# Altium PCB PowerBoardController.PcbDoc (part 1 of 2) (continued)
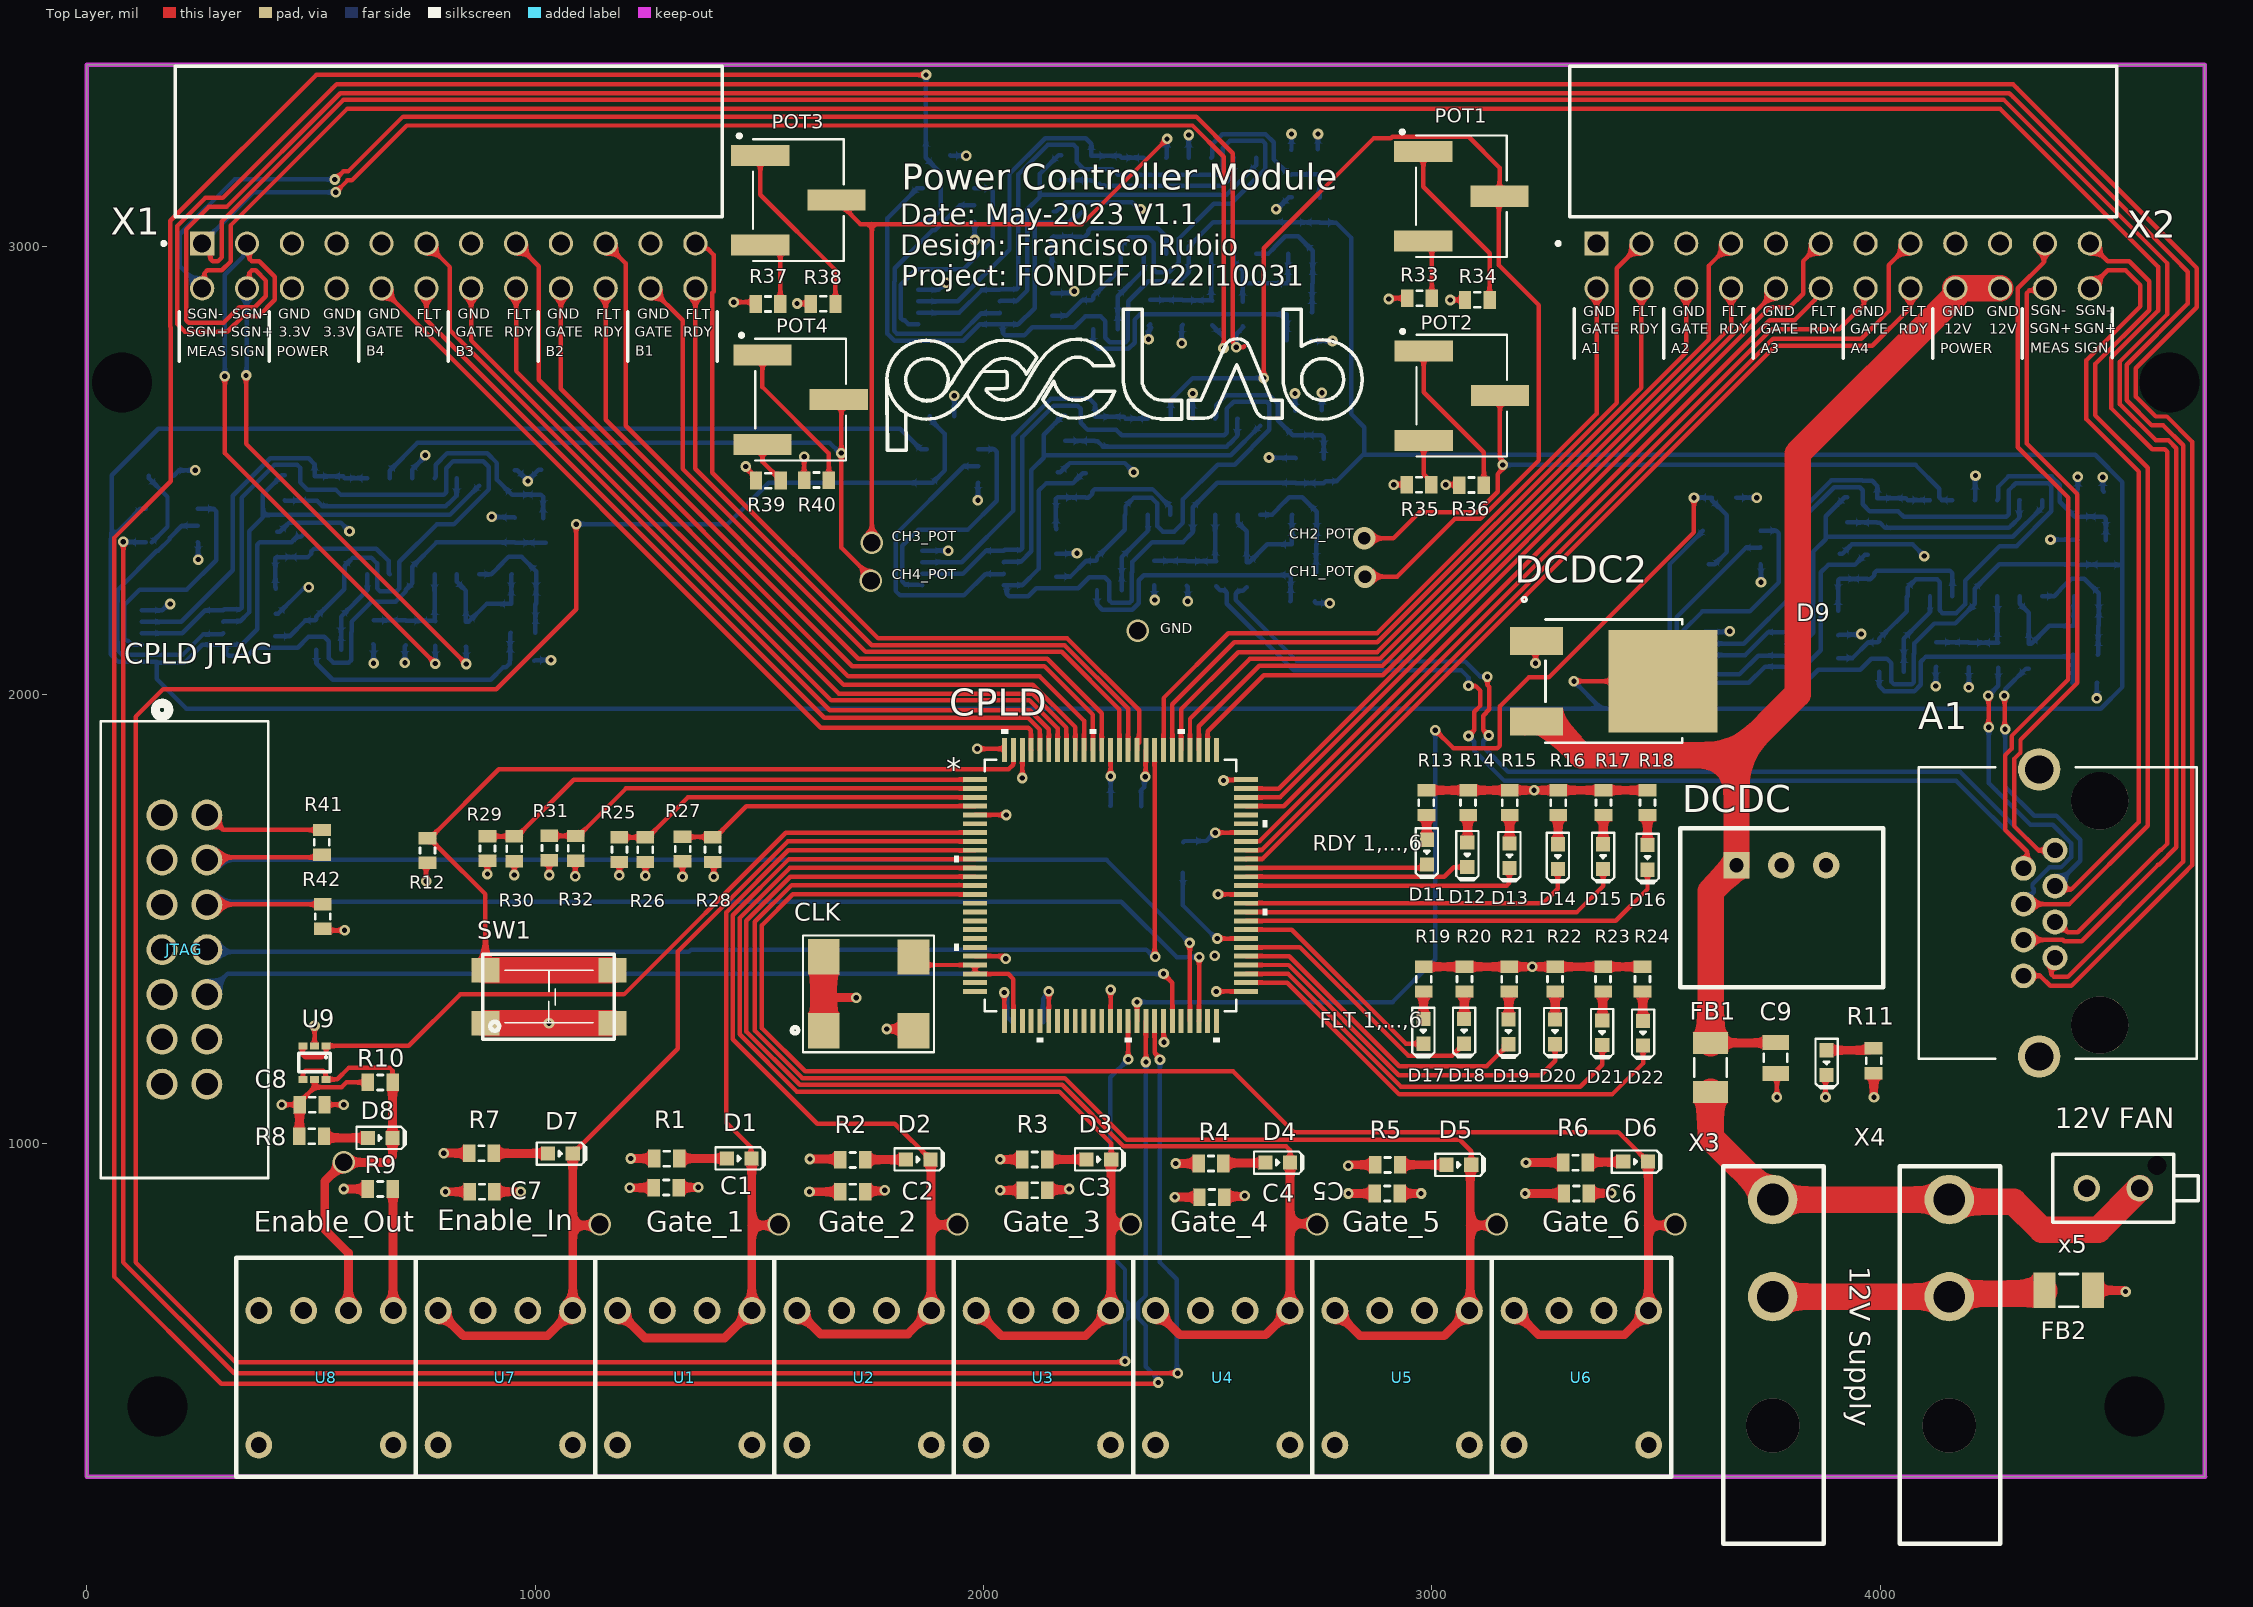
[diagram p0: Top Layer view]
## Footprints (in the part's own frame and the unit in brackets; to place one, negate y for a bottom-side part, rotate by r counter-clockwise, add the part's x,y. Pads: shape width x height; smd on the part's side, far side on the other; paste and mask are expansions set on the pad)
21-0036K-M [mil]
  rect 60x16 smd paste+0 mask+0: 1(-91,38.39) 2(-91,12.8) 3(-91,-12.8) 4(-91,-38.39) 5(91,-38.39) 6(91,-12.8) 7(91,12.8) 8(91,38.39)
  silkscreen extent -66,-66 66,66, body extent -99,-61 99,61, height 43
100-TQFP_XIL [mil]
  rect 53.5x11 smd paste+0 mask+0: 1(-302.25,236.22) 2(-302.25,216.54) 3(-302.25,196.85) 4(-302.25,177.17) 5(-302.25,157.48) 6(-302.25,137.8) 7(-302.25,118.11) 8(-302.25,98.43) 9(-302.25,78.74) 10(-302.25,59.06) 11(-302.25,39.37) 12(-302.25,19.69) 13(-302.25,0) 14(-302.25,-19.69) 15(-302.25,-39.37) 16(-302.25,-59.06) 17(-302.25,-78.74) 18(-302.25,-98.43) 19(-302.25,-118.11) 20(-302.25,-137.8) 21(-302.25,-157.48) 22(-302.25,-177.17) 23(-302.25,-196.85) 24(-302.25,-216.54) 25(-302.25,-236.22) 51(302.25,-236.22) 52(302.25,-216.54) 53(302.25,-196.85) 54(302.25,-177.17) 55(302.25,-157.48) 56(302.25,-137.8) 57(302.25,-118.11) 58(302.25,-98.43) 59(302.25,-78.74) 60(302.25,-59.06) 61(302.25,-39.37) 62(302.25,-19.69) 63(302.25,0) 64(302.25,19.68) 65(302.25,39.37) 66(302.25,59.06) 67(302.25,78.74) 68(302.25,98.43) 69(302.25,118.11) 70(302.25,137.8) 71(302.25,157.48) 72(302.25,177.17) 73(302.25,196.85) 74(302.25,216.54) 75(302.25,236.22)
  rect 11x53.5 smd paste+0 mask+0: 26(-236.22,-302.25) 27(-216.54,-302.25) 28(-196.85,-302.25) 29(-177.17,-302.25) 30(-157.48,-302.25) 31(-137.8,-302.25) 32(-118.11,-302.25) 33(-98.43,-302.25) 34(-78.74,-302.25) 35(-59.06,-302.25) 36(-39.37,-302.25) 37(-19.68,-302.25) 38(0,-302.25) 39(19.69,-302.25) 40(39.37,-302.25) 41(59.06,-302.25) 42(78.74,-302.25) 43(98.43,-302.25) 44(118.11,-302.25) 45(137.8,-302.25) 46(157.48,-302.25) 47(177.17,-302.25) 48(196.85,-302.25) 49(216.54,-302.25) 50(236.22,-302.25) 76(236.22,302.25) 77(216.54,302.25) 78(196.85,302.25) 79(177.17,302.25) 80(157.48,302.25) 81(137.8,302.25) 82(118.11,302.25) 83(98.43,302.25) 84(78.74,302.25) 85(59.06,302.25) 86(39.37,302.25) 87(19.69,302.25) 88(0,302.25) 89(-19.68,302.25) 90(-39.37,302.25) 91(-59.06,302.25) 92(-78.74,302.25) 93(-98.43,302.25) 94(-118.11,302.25) 95(-137.8,302.25) 96(-157.48,302.25) 97(-177.17,302.25) 98(-196.85,302.25) 99(-216.54,302.25) 100(-236.22,302.25)
  silkscreen extent -349,-349 349,349, body extent -315,-315 315,315, height 63
"Button SMD" [mm] "4.50mm x 4.50mm"
  rect 1.6x1.4 smd: 1(-3.6,-1.5) 1(3.6,-1.5) 3(-3.6,1.5) 3(3.6,1.5)
  silkscreen extent -3.75,-2.41 3.69,2.41, body extent -3.75,-2.24 3.75,2.26, height 5
CAP_0603 [mm] "CAP CER 0603"
  rect 1x0.7 smd: 1(0,0) 2(0,-1.4)
  silkscreen extent -0.42,-0.86 0.43,-0.54, body extent -0.4,-1.49 0.4,0.11, height 0.3
CAP_0805 [mm] "CAP CER 0805"
  rect 1.5x0.85 smd: 1(0,0) 2(0.02,-1.74)
  silkscreen extent -0.67,-1.08 0.67,-0.64, body extent -0.63,-1.89 0.62,0.11, height 0.78
Con_2068320201 [mm] "Connector Header Through Hole 2 position"
  round 1.5 hole 1: 1(0,0) 2(0,-3)
  round 0.8 hole 1.08 unplated: ""(-1.28,0.98)
  silkscreen extent -1.92,-4.93 1.93,3.33, body extent -1.92,-4.93 1.93,3.33, height 10.04
CON_WR-MPC4-649002227222 [mm] "CONN HEADER R/A 2POS 4.2MM"
  round 2.8 hole 1.8: 1(0,0) 2(0,-5.5)
  silkscreen extent -2.8,-19.5 2.9,1.9, body extent -2.8,-19.47 2.9,0.5, height 11.4
CONN14_1421621_WRE [mil]
  round 69 / inner round 60 / far side round 69 hole 49 paste-34.5 mask+0: 1(0,0) 2(0,100) 3(100,0) 4(100,100) 5(200,0) 6(200,100) 7(300,0) 8(300,100) 9(400,0) 10(400,100) 11(500,0) 12(500,100) 13(600,0) 14(600,100)
  silkscreen extent -249,-137 810,237, body extent -201,-121 801,240, height 351
D0014A_N [mm]
  oval 1.45x0.6 smd paste+0 mask+0: 1(-2.725,3.81) 2(-2.725,2.54) 3(-2.725,1.27) 4(-2.725,0) 5(-2.725,-1.27) 6(-2.725,-2.54) 7(-2.725,-3.81) 8(2.725,-3.81) 9(2.725,-2.54) 10(2.725,-1.27) 11(2.725,0) 12(2.725,1.27) 13(2.725,2.54) 14(2.725,3.81)
  silkscreen extent -3.3,-4.4 0.9,4.4
DBV5-M [mil]
  rect 46.5x20 smd paste+0 mask+0: 1(-57.75,37.4) 2(-57.75,0) 3(-57.75,-37.4) 4(57.75,-37.4) 5(57.75,37.4)
  silkscreen extent -40,-65 39,65, body extent -59,-60 59,60, height 57
"DC-DC CUI" [mm] "THT - P7803-2000-S"
  rect 1.5x1.5 hole 0.8: 1(-2.54,4.75)
  round 1.5 hole 0.8: 2(0,4.75) 3(2.54,4.75)
  silkscreen extent -5.74,-2.15 5.76,6.85, body extent -5.75,-2.1 5.75,6.9, height 17.5
DPAK_ONS [mil]
  rect 63x118 smd paste-59 mask-59: 1(-90,-172.5) 3(90,-172.5)
  rect 228x244 smd paste-122 mask-122: 2(0,109.5)
  silkscreen extent -187,-205 138,153
FB_1206 [mm]
  rect 2x1.25 smd: 1(-0.01,-0.01) 2(-0.01,-2.77)
  silkscreen extent -0.93,-1.91 0.92,-0.86, body extent -0.82,-3.04 0.78,0.16, height 1.1
FO_Rx_HFBR-2521Z [mil] "RECEIVER FIBER OPTIC 600NM 5MBD"
  round 60 hole 38: 1(0,0) 2(-100,0) 3(-200,0) 4(-300,0)
  round 60 hole 35: 5(-300,-300) 8(0,-300)
  silkscreen extent -350,-371 50,118, body extent -350,-616 130,124, height 306
FO_Tx_HFBR-1521Z [mil] "XMITTER FIBER OPTIC 600NM 5MBD"
  round 60 hole 38: 1(0,0) 2(-100,0) 3(-200,0) 4(-300,0)
  round 60 hole 35: 5(-300,-300) 8(0,-300)
  silkscreen extent -350,-371 50,118, body extent -349,-616 131,124, height 306
LED_0603_Blue [mm] "LED 0603"
  rect 0.8x0.8 smd: 1(0,0) 2(0,-1.4)
  silkscreen extent -0.63,-2.16 0.63,0.65, body extent -0.4,-1.49 0.4,0.11, height 0.4
LED_0603_Red [mm] "LED 0603"
  rect 0.8x0.8 smd: 1(0,0) 2(0,-1.4)
  silkscreen extent -0.63,-2.16 0.63,0.65, body extent -0.4,-1.51 0.4,0.09, height 0.4
LED_0603_Yellow [mm] "LED 0603"
  rect 0.8x0.8 smd: 1(0,0) 2(0,-1.4)
  silkscreen extent -0.63,-2.16 0.63,0.65, body extent -0.4,-1.46 0.4,0.14, height 0.4
RES_0603 [mm] "RES 0603"
  rect 1x0.7 smd: 1(0,0) 2(0,-1.4)
  silkscreen extent -0.42,-0.86 0.43,-0.54, body extent -0.39,-1.49 0.41,0.11, height 0.45
RJ45_RJHSE5E80 [mm] "Modulo RJ-45 RJHSE5E80"
  round 1.408 hole 0.9: 1(0,0) 2(-1.02,1.78) 3(-2.03,0) 4(-3.05,1.78) 5(-4.06,0) 6(-5.08,1.78) 7(-6.09,0) 8(-7.11,1.78)
  round 2.4 hole 1.6: ""(-11.68,0.89) ""(4.58,0.89)
  round 3.25 hole 3.25 unplated: ""(-9.9,-2.54) ""(2.8,-2.54)
  silkscreen extent -11.81,-8.04 4.7,7.71, body extent -11.95,-8.24 4.88,7.96, height 14.77
SAMTEC_SSQ-112-23-S-D-RA [mm]
  rect 1.37x1.37 / inner round 1.37 / far side rect 1.37x1.37 hole 1.02: 01(-13.97,-5.775)
  round 1.37 hole 1.02: 02(-13.97,-8.315) 03(-11.43,-5.775) 04(-11.43,-8.315) 05(-8.89,-5.775) 06(-8.89,-8.315) 07(-6.35,-5.775) 08(-6.35,-8.315) 09(-3.81,-5.775) 10(-3.81,-8.315) 11(-1.27,-5.775) 12(-1.27,-8.315) 13(1.27,-5.775) 14(1.27,-8.315) 15(3.81,-5.775) 16(3.81,-8.315) 17(6.35,-5.775) 18(6.35,-8.315) 19(8.89,-5.775) 20(8.89,-8.315) 21(11.43,-5.775) 22(11.43,-8.315) 23(13.97,-5.775) 24(13.97,-8.315)
  silkscreen extent -16.24,-5.87 15.5,4.26, body extent -15.5,-8.57 15.49,4.32, height 5.02
SC-70 [mm]
  rect 0.5x0.4 smd: 1(-0.65,-0.95) 2(0,-0.95) 3(0.65,-0.95) 4(0.65,0.95) 5(0,0.95) 6(-0.65,0.95)
  silkscreen extent -0.9,-0.53 0.9,0.52, body extent -1,-1.05 1,1.05, height 1.1
"SMD-4 Oscillator" [mm]
  rect 1.8x2 smd: 1(0,0) 2(5.08,0) 3(5.08,4.18) 4(0,4.2)
  silkscreen extent -1.8,-1.22 6.25,5.39, body extent -0.92,-0.36 6.08,4.64, height 1.7
TRIM_3361S-1-103GLF [mm]
  rect 3.3x1.19 smd: 1(-2.16,2.54) 2(2.16,0) 3(-2.16,-2.54)
  silkscreen extent -3.45,-3.45 2.57,3.75

## Part data
A1: library part RJ45_RJHSE5E80, "Modulo RJ-45 RJHSE5E80", Color=Black, Current Rating=1.5A, Flammability Rating="UL94 V-0", Insulation Resistance=500MR, Manufacturer="Amphenol Commercial", Manufacturer Part Number=RJHSE5E80, Manufacturer Part-Number=1-338088-3, Max Operating Temperature=85°C, Min Operating Temperature=-55°C, Package Quantity=120, Supplier Part Number 1=RJHSE5E80-ND, Voltage Rating=125V, ComponentLink1Description=http://www.mouser.com/ds/2/18/Amphenol_RJHSE_BRO-311217.pdf?src-supplier=Mouser, ComponentLink1URL=http://www.mouser.com/ds/2/18/Amphenol_RJHSE_BRO-311217.pdf?src-supplier=Mouser, ComponentLink2Description=https://media.digikey.com/pdf/Data%20Sheets/Amphenol%20PDFs/RJHSE5E8x_Dwg.pdf?src-supplier=Digi-Key, ComponentLink2URL=https://media.digikey.com/pdf/Data%20Sheets/Amphenol%20PDFs/RJHSE5E8x_Dwg.pdf?src-supplier=Digi-Key, Connector Type=Jack, Contact Material=Bronze, Contact Plating=Gold, Digikey Part-Number=A99306CT-ND, Direction=Up, Gender=Female, Housing Material=Thermoplastic, LatestRevisionDate=17-Jul-2002, LatestRevisionNote="Re-released for DXP Platform.", Mount="Through Hole", Number of Contacts=8, Number of Ports=1, Number of Positions=8, Number of Rows=1, Orientation="Right Angle", Packaging=Tray, Pitch=2.03mm, Pricing 1="1=1.28, 10=1.125, 25=1.0584, 50=1.0144, 100=0.9702, 250=0.882, 500=0.7938, 1000=0.7056, 2500=0.63945 (USD)", Publisher="Altium Limited", Shielding=Shielded, Stock 1=16396, Supplier 1=Digi-Key, Termination=Solder
C1 C1_ADC1 C1_ADC2 C1_ADC3 C1_ADC4 C2 C2_ADC1 C2_ADC2 C2_ADC3 C2_ADC4 C3 C3_ADC1 C3_ADC2 C3_ADC3 C3_ADC4 C4 C4_ADC1 C4_ADC2 C4_ADC3 C4_ADC4 C5 C5_ADC1 C5_ADC2 C5_ADC3 C5_ADC4 C6 C6_ADC1 C6_ADC2 C6_ADC3 C6_ADC4 C7 C8: library part Cap_0603, "0.1µF ±10% 50V Ceramic Capacitor X7R 0603 (1608 Metric)", Package=0603, Supplier Part Number 1=399-5089-1-ND, Created=2020_06_15_DAarancibia, MF=KEMET, MFP=C0603C104K5RACTU, Supplier 1=Digi-Key
C9 C10 C11 C12: library part Cap_0805, "0.1µF ±10% 50V Ceramic Capacitor X7R 0805 (2012 Metric)", Package=0805, Supplier Part Number 1=399-1170-1-ND, Created=2020_06_15_DAarancibia, MF=KEMET, MFP=C0805C104K5RACTU, Supplier 1=Digi-Key
CLK: library part Oscillator, "20MHz XO (Standard) HCMOS, TTL Oscillator 3.3V Enable/Disable 4-SMD, No Lead", MPN=CB3LV-3I-20M0000, Package="4-SMD, No Lead", Supplier Part Number 1=CTX306LVCT-ND, Created=2020_07_06_DArancibia, MF="CTS-Frequency Controls", Supplier 1=Digi-Key
CPLD: "No Description Available", Mfr_Name="Xilinx Inc", RefDes=RefDes, Type=Type
D1 D2 D3 D4 D5 D6 D7 D8: library part Led_0603_Yellow, "Yellow 590nm LED Indication - Discrete 2V 0603 (1608 Metric)", Package=0603, Supplier Part Number 1=732-4981-1-ND, Created=2020_07_06_DAarancibia, MF="Würth Elektronik", MFP=150060YS75000, Supplier 1=Digi-Key
D9 D11 D12 D13 D14 D15 D16: library part Led_0603_Blue, "Blue 470nm LED Indication - Discrete 3.2V 0603 (1608 Metric)", Package=0603, Supplier Part Number 1=732-4966-1-ND, Created=2020_07_06_DAarancibia, MF="Würth Elektronik", MFP=150060BS75000, Supplier 1=Digi-Key
D17 D18 D19 D20 D21 D22: library part Led_0603_Red, "Red 625nm LED Indication - Discrete 2V 0603 (1608 Metric)", Package=0603, Supplier Part Number 1=732-4978-1-ND, Created=2020_07_06_DAarancibia, MF="Würth Elektronik", MFP=150060RS75000, Supplier 1=Digi-Key
DCDC: library part "DC/DC 3.3V / 2A", "Non-Isolated PoL Module DC DC Converter Output 3.3V - - - 2A 6V - 36V Input", Package="3-SIP Module", Supplier Part Number 1=102-P7803-2000-S-ND, Created=2021_05_06_EDuran, MF="CUI Inc.", MFP=P7803-2000-S, Supplier 1=Digi-Key
DCDC2: "No Description Available", Mfr_Name=onsemi, RefDes=RefDes, Type=Type
FB1 FB2: library part "Ferrite Bead", "60 Ohms @ 100MHz 1 Power Line Ferrite Bead 1206 (3216 Metric) 4A 10mOhm", Package=1206, Supplier Part Number 1=587-1770-1-ND, Created=2020_07_06_DAarancibia, MF="Taiyo Yuden", MFP=FBMJ3216HM600-T, Supplier 1=Digi-Key
JTAG: "No Description Available", Mfr_Name="Wurth Electronics", RefDes=RefDes, Type=Type
NAND_ADC1 NAND_ADC2 NAND_ADC3 NAND_ADC4 U1_ADC1 U1_ADC2 U1_ADC3 U1_ADC4: "No Description Available", Mfr_Name="Texas Instruments", RefDes=RefDes
  NAND_ADC1 NAND_ADC2 NAND_ADC3 NAND_ADC4: Type=Type
  U1_ADC1 U1_ADC2 U1_ADC3 U1_ADC4: Type=TYPE
POT1 POT2 POT3 POT4: "10 kOhms 0.5W, 1/2W Gull Wing Surface Mount Trimmer Potentiometer Cermet 1 Turn Side Adjustment", Package="2012 Bourns", Availability=Warning, Check_prices=https://www.snapeda.com/parts/3361S-1-103GLF/Bourns/view-part/431545/?ref=eda, MF=Bourns, MP=3361S-1-103GLF, Price=None, Purchase-URL=https://pricing.snapeda.com/search/part/3361S-1-103GLF/?ref=eda, SnapEDA_Link=https://www.snapeda.com/parts/3361S-1-103GLF/Bourns/view-part/431545/?ref=snap
R1 R1_ADC1 R1_ADC2 R1_ADC3 R1_ADC4 R2 R2_ADC1 R2_ADC2 R2_ADC3 R2_ADC4 R3 R3_ADC1 R3_ADC2 R3_ADC3 R3_ADC4 R4 R4_ADC1 R4_ADC2 R4_ADC3 R4_ADC4 R5 R5_ADC1 R5_ADC2 R5_ADC3 R5_ADC4 R6 R6_ADC1 R6_ADC2 R6_ADC3 R6_ADC4 R7 R7_ADC1 R7_ADC2 R7_ADC3 R7_ADC4 R8 R8_ADC1 R8_ADC2 R8_ADC3 R8_ADC4 R9 R9_ADC1 R9_ADC2 R9_ADC3 R9_ADC4 R10 R10_ADC1 R10_ADC2 R10_ADC3 R10_ADC4 R11 R11_ADC1 R11_ADC2 R11_ADC3 R11_ADC4 R12 R12_ADC1 R12_ADC2 R12_ADC3 R12_ADC4 R13 R13_ADC1 R13_ADC2 R13_ADC3 R13_ADC4 R14 R14_ADC1 R14_ADC2 R14_ADC3 R14_ADC4 R15 R15_ADC1 R15_ADC2 R15_ADC3 R15_ADC4 R16 R17 R18 R19 R20 R21 R22 R23 R24 R25 R26 R27 R28 R29 R30 R31 R32 R33 R34 R35 R36 R37 R38 R39 R40 R41 R42: library part Res_0603, "10 kOhms ±1% 0.1W, 1/10W Chip Resistor 0402 (1005 Metric) Anti-Sulfur, Automotive AEC-Q200 Thick Film", Package=0603, Supplier Part Number 1=P10.0KHCT-ND, Created=2020_06_15_DAarancibia, MF="Panasonic Electronic Components", MFP=ERJ-3EKF1002V, Supplier 1=Digi-Key
SW1: "Pulsador NO SMD Wurth", Package="Gull Wing 4.50mm x 4.50mm", Supplier Part Number 1=EG5355CT-ND, Created=2020_07_08_DArancibia, MF=E-Switch, MFP=TL3305CF260QG, Supplier 1=Digi-Key
U1 U2 U3 U4 U5 U6 U7: library part FO_Rx_HFBR-2521, "Fiber Optic Receiver  5MBd -43dBm 4.75V ~ 5.25V 10mA", Supplier Part Number 1=516-2062-ND, Created=2020_07_06_DArancibia, MF="Broadcom Limited", MFP=HFBR-2521Z, Supplier 1=Digi-Key
U2_ADC1 U2_ADC2 U2_ADC3 U2_ADC4: "No Description Available", Mfr_Name="Analog Devices Inc", RefDes=RefDes, Type=Type
U8: library part FO_Tx_HFBR-1521, "Fiber Optic Transmitter 660nm 2.02V 80mA Versatile Link", Supplier Part Number 1=516-2043-ND, Created=2020_07_06_DArancibia, MF="Broadcom Limited", MFP=HFBR-1521Z, Supplier 1=Digi-Key
U9: library part NC7WV07P6X, "Buffer, Non-Inverting Element 1 Bit per Element Open Drain Output SC-88 (SC-70-6)", Package="SC-88 (SC-70-6)", Supplier Part Number 1=NC7WV07P6XCT-ND, Created=2020_05_02_EDuran, MF="ON Semiconductor", MPN=NC7WV07P6X, Supplier 1=Digi-Key
X1 X2: "24 Position Receptacle Connector 0.100 (2.54mm) Through Hole, Right Angle Gold", Package=None, Availability="In Stock", Check_prices=https://www.snapeda.com/parts/SSQ-112-23-S-D-RA/Samtec/view-part/?ref=eda, MF=Samtec, MP=SSQ-112-23-S-D-RA, Price=None, Purchase-URL=https://pricing.snapeda.com/search/part/SSQ-112-23-S-D-RA/?ref=eda, SnapEDA_Link=https://www.snapeda.com/parts/SSQ-112-23-S-D-RA/Samtec/view-part/?ref=snap
X3 X4: library part Con_WR-MPC4_2x1, "Connector Header Through Hole, Right Angle 2 position 0.165\" (4.20mm)", MPN=649002227222, Package="Through Hole, pitch 0.165\" (4.20mm)", Supplier Part Number 1=732-1937-ND, Created=2020_06_14_DArancibia, MF="Würth Elektronik", Supplier 1=Digi-Key
x5: library part Con_Molex_1x2, "Connector Header Through Hole 2 position", MPN=2068320201, Package="Through Hole, Pitch 3mm", Supplier Part Number 1=WM26554-ND, Created=2021_05_22_EDuran, MF=Molex, Supplier 1=Digi-Key

## Free pads (board coordinates)
  round 60 hole 133.86: 1(78.74,2696.85) 1(157.48,413.39) 1(4566.93,413.39) 1(4645.67,2696.85)

## Via types
v1: diameter 23.62, hole 11.81, Top Layer to Bottom Layer, tented both sides, 115 vias
v2: diameter 23.62, hole 11.81, Top Layer to Bottom Layer, 38 vias
v3: diameter 50, hole 39.37, Top Layer to Bottom Layer, 11 vias
v4: diameter 50, hole 28, Top Layer to Bottom Layer, 2 vias
v5: diameter 120.08, hole 120.08, Top Layer to Bottom Layer, 2 vias

## Nets (pads, with @x,y where several pads share a name; then routed paths per layer and width w, separated by ;. In a path a pad name is that pad's centre, name@x,y a point inside that pad or via, vN(x,y) a via of type N, cw(c..) or ccw(c..) an arc to the next point about the centre after c; other vN are vias at no path point)
3.3V: C1.1 C2.1 C3.1 C4.1 C5.1 C6.1 C7.1 C8.1 C10.1 C11.1 C12.1 CLK.1 CLK.4 CPLD.5 CPLD.26 CPLD.38 CPLD.51 CPLD.57 CPLD.88 CPLD.98 DCDC.3 JTAG.2 R1.2 R2.2 R3.2 R4.2 R5.2 R6.2 R7.2 R8.2 R9.2 R10.2 R11.2 R12.2 R13.2 R14.2 R15.2 R16.2 R17.2 R18.2 R19.2 R20.2 R21.2 R22.2 R23.2 R24.2 R25.2 R27.2 R29.2 R31.2 R33.2 R35.2 R37.2 R39.2 R41.2 U1.3 U2.3 U3.3 U4.3 U5.3 U6.3 U7.3 U9.5 X1.06 X1.08 | length 3869.5
  Top Layer w10: JTAG.2@268,1732 271.64,1732 304.82,1698.82 R41.2@524.61,1698.82 ; v1(435,1086) C8.1@475,1086 475,1091.91 508,1124.91 ; U9.5@508,1142.6 508,1124.91 ; R10.2@627,1136 579.35,1136 568.26,1124.91 508,1124.91 ; v2(756.89,1584.65) 756.89,1612.69 751.97,1617.61 R12.2@759.84,1625.48 ; v2(893.7,1600.39) 893.7,1629.76 R29.2@893.84,1629.91 ; v2(1031.5,1598.43) 1031.5,1630.56 R31.2@1031.84,1630.91 ; R25.2@1187.84,1627.36 1187.99,1627.21 v2(1187.99,1597.44) ; v2(1328.74,1594.49) 1328.74,1628.8 R27.2@1328.84,1628.91 ; v1(1443,2876) 1487.78,2876 R37.2@1491.73,2872.05 ; v1(1469.77,2509.52) 1469.77,2507.05 1492.78,2484.04 R39.2@1492.78,2478.13 ; CPLD.5@1981.21,1732.28 v2(2050.72,1732.28) ; v2(2046.18,1336.24) 2046.74,1335.68 2046.74,1273.05 CPLD.26@2047.24,1272.55 ; v2(2086.61,1814.61) CPLD.98@2086.61,1877.05 ; CPLD.38@2283.46,1272.55 v2(2283.46,1342.54) ; v2(2283.46,1818.46) CPLD.88@2283.46,1877.05 ; v2@2518.83,1338 v2(2519.42,1338.58) CPLD.51@2585.71,1338.58 ; v2(2521.31,1456.69) CPLD.57@2585.71,1456.69 ; v1@2901,2883 v1(2904,2883) 2909,2883 2910.84,2884.84 R33.2@2944.88,2884.84 ; v1(2915,2469) R35.2@2943.88,2469
  Top Layer w19.68: R8.2@473.88,1016 474.44,1016.56 474.44,1085.44 C8.1@475,1086 ; v1(573,898) R9.2@627,898 ; v1(796,978) R7.2@852.88,978 ; v1(800,892) C7.1@853.88,892 ; v1(1211,901) C1.1@1265,901 ; v1(1213,966) R1.2@1266,966 ; v1(1612,892) C2.1@1680.88,892 ; v1(1613,965) 1678.88,965 R2.2@1680.88,963 ; 1643.7,1333.66 1652.56,1324.8 v2(1716.54,1324.8) ; v1(2037,895) C3.1@2087,895 ; v1(2037,964) R3.2@2086.76,964 ; v1(2427,880) C4.1@2481.88,880 ; v2(2429,955) R4.2@2479.88,955 ; v1(2813.88,950.03) 2814.94,950.03 2816.91,952 R5.2@2873.88,952 ; v1(2814,888) C5.1@2873,888 ; R19.2@2982,1393.7 R20.2@3073,1393.7 R21.2@3173,1393.7 v1(3224,1393.7) R22.2@3275,1393.7 R23.2@3382,1393.7 R24.2@3470,1393.7 ; R13.2@2988,1787.4 R14.2@3081,1787.4 R15.2@3174,1787.4 v1(3228,1787.4) R16.2@3282,1787.4 R17.2@3383,1787.4 R18.2@3481,1787.4 ; v1(3208,888) C6.1@3294.88,888 ; v1(3210,957) R6.2@3293,957 ; R11.2@3985.24,1156.5 3985.73,1156 3985.73,1102.85 v1(3986.22,1102.36)
  Top Layer w59.06: CLK.1@1643.7,1250.98 1643.7,1333.66 CLK.4@1643.7,1416.34
  Bottom Layer w10: v2(2046.18,1336.24) 2046.18,1332.56 2052.64,1326.1 2052.64,1282.21 C12.1@2064.37,1270.47 ; C11.1@2282.87,1752.76 2283.46,1753.35 v2(2283.46,1818.46) ; C10.1@2444.88,1603.35 2444.88,1530.51 2518.7,1456.69 v2(2521.31,1456.69)
5V: C6_ADC1.1 C6_ADC2.1 C6_ADC3.1 C6_ADC4.1 DCDC2.2 NAND_ADC1.5 NAND_ADC2.5 NAND_ADC3.5 NAND_ADC4.5 R8_ADC1.2 R8_ADC2.2 R8_ADC3.2 R8_ADC4.2 R13_ADC1.2 R13_ADC2.2 R13_ADC3.2 R13_ADC4.2 U1_ADC1.4 U1_ADC2.4 U1_ADC3.4 U1_ADC4.4 U2_ADC1.8 U2_ADC2.8 U2_ADC3.8 U2_ADC4.8 | length 17067
  Top Layer w10: v1(3316.93,2030.51) DCDC2.2@3495.33,2030.51
  Bottom Layer w10: NAND_ADC4.5@132.11,2415.12 118.86,2415.12 113.86,2410.12 113.86,2409.1 55.67,2350.91 ; 155.74,2072 217.83,2072 257.8,2111.97 U2_ADC4.8@304.48,2111.97 U2_ADC4.8@307.78,2111.97 ; R8_ADC4.2@486.48,2361.67 477.7,2352.89 469.42,2352.89 457.45,2340.92 385.86,2340.92 380,2335.06 380,2146.39 345.57,2111.97 U2_ADC4.8@307.78,2111.97 ; R13_ADC4.2@1023.2,2339.54 955.46,2339.54 C6_ADC4.1@954.98,2340.02 779.95,2340.02 725.65,2285.72 U1_ADC4.4@725.65,2268.99 725.65,2248.57 712,2234.92 712,2231.15 689.02,2208.17 635.31,2208.17 590.78,2163.65 590.78,2141.17 589.91,2140.3 589.91,2077.45 584.67,2072.22 549.71,2072.22 539.63,2082.3 539.63,2119.39 529.55,2129.46 494.59,2129.46 470.3,2105.17 376.71,2105.17 358.71,2087.17 316.64,2087.17 310.78,2093.03 310.78,2108.97 U2_ADC4.8@307.78,2111.97 ; NAND_ADC3.5@1864.39,3129.69 1851.14,3129.69 1846.14,3124.69 1846.14,3123.67 1785.83,3063.35 1785.83,2805.64 1801.67,2789.8 1954.85,2789.8 1991.58,2826.54 U2_ADC3.8@2036.76,2826.54 U2_ADC3.8@2040.06,2826.54 ; NAND_ADC1.5@1873.25,2547.99 1860,2547.99 1814.49,2593.5 159.45,2593.5 55.67,2489.72 55.67,2350.91 ; U2_ADC1.8@2045.62,2244.84 U2_ADC1.8@2048.92,2244.84 ; R8_ADC3.2@2218.76,3076.24 2209.98,3067.46 2204.08,3067.46 2189.94,3053.31 2120.24,3053.31 2114.06,3047.13 2114.06,2862.74 2077.86,2826.54 U2_ADC3.8@2040.06,2826.54 ; R8_ADC1.2@2227.62,2494.54 2221.72,2494.54 2198.79,2471.62 2139.5,2471.62 2122.92,2455.05 2122.92,2281.05 2086.72,2244.84 U2_ADC1.8@2048.92,2244.84 ; R13_ADC3.2@2750.06,3053.62 2786.28,3053.62 2819.88,3020.02 2819.88,2626.97 2849.62,2597.23 2849.62,2538.39 2846.67,2535.43 ; R13_ADC3.2@2750.06,3054.1 2687.75,3054.1 C6_ADC3.1@2687.27,3054.58 2512.23,3054.58 2457.94,3000.29 2457.94,2942.94 2437.74,2922.74 2367.59,2922.74 2323.06,2878.21 2323.06,2855.74 2322.19,2854.87 2322.19,2792.02 2316.95,2786.79 2281.99,2786.79 2271.91,2796.86 2271.91,2833.95 2261.84,2844.03 2226.87,2844.03 2202.58,2819.74 2108.99,2819.74 2090.99,2801.74 2048.92,2801.74 2043.06,2807.6 2043.06,2823.54 U2_ADC3.8@2040.06,2826.54 ; v1(3316.93,2030.51) 3377.95,1969.49 ; NAND_ADC2.5@3604.31,2366.26 3599.31,2361.26 3599.31,2360.24 3531,2291.93 3531,2049.69 3553.69,2027 3707.14,2027 3743.25,2063.11 U2_ADC2.8@3789.93,2063.11 U2_ADC2.8@3793.23,2063.11 ; R8_ADC2.2@3971.93,2312.81 3966.02,2312.81 3943.1,2289.89 3883.8,2289.89 3867.23,2273.32 3867.23,2099.32 3831.02,2063.11 U2_ADC2.8@3793.23,2063.11 ; R13_ADC2.2@4503.23,2290.2 4540.2,2290.2 4540.35,2290.35 ; R13_ADC2.2@4503.23,2290.68 4440.91,2290.68 C6_ADC2.1@4440.43,2291.16 4265.4,2291.16 4211.1,2236.86 U1_ADC2.4@4211.1,2220.13 4211.1,2202.84 4167.57,2159.32 4120.76,2159.32 4076.23,2114.79 4076.23,2092.32 4075.35,2091.44 4075.35,2028.6 4070.12,2023.36 4030.94,2023.36 4025.08,2029.22 4025.08,2070.53 4015,2080.61 3980.04,2080.61 3955.75,2056.32 3862.16,2056.32 3844.16,2038.32 3802.09,2038.32 3796.23,2044.17 3796.23,2060.11 U2_ADC2.8@3793.23,2063.11 ; 55.67,2350.91 53.54,2348.78 53.54,2090.56 70.61,2073.49 155.74,2073.49 155.74,2036.19 222.44,1969.49 3377.95,1969.49 ; U2_ADC1.8@2048.92,2244.84 2051.92,2241.84 2051.92,2225.91 2057.78,2220.05 2099.85,2220.05 2117.85,2238.05 2211.44,2238.05 2235.73,2262.34 2270.69,2262.34 2280.77,2252.26 2280.77,2210.95 2286.63,2205.09 2325.81,2205.09 2331.05,2210.33 2331.05,2273.17 2331.92,2274.05 2331.92,2296.52 2376.45,2341.05 2445.05,2341.05 2466.8,2362.8 U1_ADC1.4@2466.8,2401.86 2466.8,2418.6 2521.09,2472.89 C6_ADC1.1@2696.13,2472.89 2696.61,2472.41 2758.44,2472.41 2763.07,2477.04 2788.28,2477.04 2846.67,2535.43 ; 2846.67,2535.43 4479.33,2535.43 4540.35,2474.41 4540.35,2290.35 ; 3377.95,1969.49 4492.13,1969.49 4540.35,2017.72 4540.35,2290.35
12V: C9.1 DCDC2.3 DCDC.1 FB1.2 X2.18 X2.20 | length 2633.6
  Top Layer w19.68: FB1.2@3621.63,1223.37 3622.13,1223.87 3766.13,1223.87 C9.1@3766.63,1224.37
  Top Layer w59.06: DCDC2.3@3233.63,1940.51 3261.13,1940.51 3263.1,1938.54 3263.1,1935.72 3333.27,1865.55 3679.53,1865.55 ; FB1.2@3621.63,1223.37 3621.63,1562.11 DCDC.1@3679.53,1620.01 3679.53,1865.55 ; X2.20@4267.44,2906.89 X2.18@4167.44,2906.89 4167.44,2889.88 3815.94,2538.39 3815.94,2001.97 3679.53,1865.55
12V_EXT: FB1.1 X3.1 X4.1 x5.1 | length 1182.3
  Top Layer w59.06: FB1.1@3621.63,1114.71 3621.63,1013.15 X3.1@3760.32,874.46 X4.1@4154.02,874.46 4158.88,869.6 4297.72,869.6 4360.24,807.09 4486.22,807.09 x5.1@4578.74,899.61
50MHz: CLK.3 CPLD.22 CPLD.23 CPLD.27 | length 348.8
  Top Layer w10: CLK.3@1843.7,1415.55 1861.61,1397.64 CPLD.22@1981.21,1397.64 CPLD.23@1981.21,1377.95 2055.12,1377.95 2066.93,1366.14 CPLD.27@2066.93,1272.55
ADC_IN+_1: A1.1 R1_ADC1.1 X2.22 | length 3678.3
  Top Layer w10: v1@3125,1911.42 v1(3126.97,1909.45) ; v1@3125,2039.37 v1(3124.02,2040.35) 3123.86,2040.2 3123.86,2022.28 3128.4,2017.74 3128.4,1967.96 3114.33,1953.89 3114.33,1922.12 v1@3126.97,1909.48 ; X2.22@4367.44,2906.89 4362.67,2902.12 4332.86,2902.12 4327,2896.26 4327,2560.77 4439.96,2447.81 4439.96,2027.02 4312.94,1900 4312.94,1871.53 4298.54,1857.13 4298.54,1707.84 4352.91,1653.47 4389.69,1653.47 A1.1@4389.76,1653.54
  Bottom Layer w10: R1_ADC1.1@2586.87,2240.61 2578.09,2231.83 2568.78,2231.83 2562.92,2225.97 2562.92,2211.83 2700.19,2074.55 3074.32,2074.55 3107.31,2041.56 3122.81,2041.56 v1(3124.02,2040.35) ; v1(3126.97,1909.45) 3114.33,1896.78 3114.33,1884.17 3170.35,1828.15 4178.23,1828.15 4352.91,1653.47 4389.69,1653.47 A1.1@4389.76,1653.54
ADC_IN+_2: A1.3 R1_ADC2.1 X2.24 | length 2324.9
  Top Layer w10: v1(4276.57,1998.03) 4277.56,1997.05 4277.56,1924.21 v1(4278.54,1923.23) ; A1.3@4389.76,1573.62 4397,1566.39 4426.62,1566.39 4576.77,1716.54 4576.77,2498.23 4460,2615 4460,2746.49 4580,2866.49 4580,2914.14 4547.25,2946.89 4507.44,2946.89 X2.24@4467.44,2906.89
  Bottom Layer w10: v1(4276.57,1998.03) 4279.18,2000.64 4279.18,2012.78 4325.28,2058.87 R1_ADC2.1@4331.18,2058.87 ; v1(4278.54,1923.23) 4278.54,1795.3 4343.53,1730.32 4393.11,1730.32 4446.42,1677.01 4446.42,1630.08 4389.96,1573.62 A1.3@4389.76,1573.62
ADC_IN+_3: A1.5 R1_ADC3.1 X1.02 | length 9620.4
  Top Layer w10: X1.02@257.44,2906.89 262.65,2912.1 262.65,2941.03 268.51,2946.89 300.88,2946.89 321.54,2967.55 321.54,3047.91 580.62,3307 4267.72,3307 4619.8,2954.92 4619.8,2856.78 4514.8,2751.79 4514.8,2639.91 4606.72,2548 4634.73,2548 4640.59,2542.14 4640.59,1668.59 4627.21,1655.21 4625.68,1655.21 4440.91,1470.43 4418.34,1470.43 4395.07,1493.7 A1.5@4389.76,1493.7 ; v2(553.15,3149.61) 554,3149.61 572.53,3168.14 573.91,3168.14 574.59,3167.47 582.87,3167.47 705.4,3290 2474.48,3290 2556.03,3208.45 2556.03,2786.91 2563.67,2779.28 v1(2563.67,2775.59) 2579.72,2775.59 2581.69,2777.56
  Bottom Layer w10: X1.02@257.44,2906.89 207.68,2956.65 207.68,3027.56 329.72,3149.61 v2(553.15,3149.61) ; v1(2563.67,2775.59) 2563.67,2804.53 2579.72,2820.59 R1_ADC3.1@2578.02,2822.3
ADC_IN+_4: A1.7 R1_ADC4.1 X1.04 | length 8245.8
  Top Layer w10: v1(355.31,2712.6) 355.31,2560.04 v1(846.46,2068.9) ; X1.04@357.44,2906.89 362.65,2912.1 362.65,2941.03 368.51,2946.89 376.79,2946.89 399.41,2924.27 399.41,2889.51 374.82,2864.92 340.32,2864.92 305.12,2829.72 227.39,2829.72 221.54,2835.58 221.54,3037.56 272.4,3088.42 311.85,3088.42 556.15,3332.72 565.43,3342 4287.95,3342 4297.22,3332.72 4654.53,2975.42 4686.12,2943.82 4686.12,2872.88 4549.8,2736.56 4549.8,2657.14 4605.96,2600.98 4631.25,2600.98 4675.59,2556.64 4675.59,1628.35 4654.53,1607.28 4418.31,1371.06 4387.46,1371.06 4381.6,1376.92 4381.6,1405.62 A1.7@4389.76,1413.78
  Bottom Layer w10: v1(355.31,2712.6) 356.38,2713.66 356.38,2905.83 X1.04@357.44,2906.89 ; R1_ADC4.1@845.73,2107.73 846.46,2107.01 v1(846.46,2068.9)
ADC_IN-_1: A1.2 R2_ADC1.1 X2.21 | length 3775.9
  Top Layer w10: v1(3081.69,1908.46) 3094.33,1921.13 3094.33,1962.17 3108.4,1976.24 3108.4,2009.46 3098.4,2019.46 3082.9,2019.46 v1(3081.69,2020.67) ; A1.2@4319.69,1613.39 4327.85,1621.55 4327.85,1650.24 4278.54,1699.55 4278.54,1865.41 4292.94,1879.81 4292.94,1908.29 4419.96,2035.3 4419.96,2439.52 4307,2552.48 4307,2906.74 4365.19,2964.92 4365.19,3004.63 X2.21@4367.44,3006.89
  Bottom Layer w10: R2_ADC1.1@2518.96,2242.57 2527.74,2233.79 2537.06,2233.79 2542.92,2227.94 2542.92,2203.54 2691.91,2054.55 3066.04,2054.55 3081.85,2038.74 3081.85,2020.83 v1(3081.69,2020.67) ; v1@3081.69,1908.43 3094.33,1895.8 3094.33,1875.89 3162.07,1808.15 4169.94,1808.15 4327.85,1650.24 4327.85,1621.55 A1.2@4319.69,1613.39
ADC_IN-_2: A1.4 R2_ADC2.1 X2.23 | length 2533.3
  Top Layer w10: v1(4241.14,1998.03) 4241.63,1997.54 4241.63,1928.64 v1(4242.13,1928.15) ; A1.4@4319.69,1533.46 4319.76,1533.53 4422.06,1533.53 4596.77,1708.25 4596.77,2506.51 4480,2623.28 4480,2738.2 4600,2858.2 4600,2922.43 4555.54,2966.89 4507.44,2966.89 X2.23@4467.44,3006.89
  Bottom Layer w10: v1(4241.14,1998.03) 4263.27,2020.16 R2_ADC2.1@4263.27,2060.84 ; v1(4242.13,1928.15) 4242.13,1803.43 4258.54,1787.02 4335.24,1710.32 4384.83,1710.32 4426.42,1668.73 4426.42,1638.36 4403.21,1615.16 4377.06,1615.16 4339.7,1577.79 4339.7,1570.31 4342.26,1567.75 4342.26,1560.27 4319.69,1537.69 A1.4@4319.69,1533.46
ADC_IN-_3: A1.6 R2_ADC3.1 X1.01 | length 9507.5
  Top Layer w10: X1.01@254.83,3009.5 275.52,2988.81 275.52,2972.75 281.38,2966.89 292.59,2966.89 301.54,2975.83 301.54,3056.2 572.34,3327 4276,3327 4639.8,2963.2 4639.8,2848.5 4534.8,2743.51 4534.8,2648.2 4615,2568 4643.02,2568 4660.59,2550.43 4660.59,1660.31 4621.05,1620.76 4619.52,1620.76 4449.19,1450.43 4410.05,1450.43 4406.87,1453.61 4319.76,1453.61 A1.6@4319.69,1453.54 ; v2(555.12,3121.06) 581.52,3147.47 591.15,3147.47 713.69,3270 2466.2,3270 2536.03,3200.17 2536.03,2774.22 v1(2535.43,2773.62)
  Bottom Layer w10: X1.01@257.44,3006.89 279.41,3028.86 371.61,3121.06 v2(555.12,3121.06) ; R2_ADC3.1@2510.1,2824.27 2535.43,2798.94 v1(2535.43,2773.62)
ADC_IN-_4: A1.8 R2_ADC4.1 X1.03 | length 8583.7
  Top Layer w10: v1(308.07,2710.63) 308.07,2539.37 v1(777.56,2069.88) ; X1.03@357.44,3006.89 362.65,3001.68 362.65,2972.75 368.51,2966.89 385.08,2966.89 419.41,2932.56 419.41,2881.22 383.11,2844.92 348.6,2844.92 313.4,2809.72 219.11,2809.72 201.54,2827.3 201.54,3045.84 264.11,3108.42 303.56,3108.42 547.87,3352.72 557.14,3362 4296.23,3362 4305.51,3352.72 4674.53,2983.7 4706.12,2952.11 4706.12,2864.59 4569.8,2728.28 4569.8,2665.43 4614.24,2620.98 4639.53,2620.98 4695.59,2564.92 4695.59,1620.06 4674.53,1599 4426.59,1351.06 4379.17,1351.06 4356.54,1373.69 4319.76,1373.69 A1.8@4319.69,1373.62
  Bottom Layer w10: v1(308.07,2710.63) 308.07,2937.01 349.03,2977.97 349.03,2998.48 X1.03@357.44,3006.89 ; v1(777.56,2069.88) 777.56,2109.44 R2_ADC4.1@777.82,2109.7
ADC_OUT_1: R10_ADC1.1
ADC_OUT_2: R10_ADC2.1
ADC_OUT_3: R10_ADC3.1
ADC_OUT_4: R10_ADC4.1
ADC_SE_ADC1: C3_ADC1.1 R5_ADC1.2 R6_ADC1.1 | length 591.1
  Bottom Layer w10: R6_ADC1.1@2253.21,2233.72 2253.21,2202.04 2265.16,2190.09 2332.03,2190.09 2346.05,2204.12 2346.05,2255.53 2357.78,2267.26 R5_ADC1.2@2681.76,2267.26 ; C3_ADC1.1@2684.32,2208.79 2685.3,2209.77 2685.3,2267.26 2686.28,2268.24 R5_ADC1.2@2686.28,2271.78
ADC_SE_ADC2: C3_ADC2.1 R5_ADC2.2 R6_ADC2.1 | length 591.1
  Bottom Layer w10: R6_ADC2.1@3997.52,2051.98 3997.52,2020.3 4009.46,2008.36 4076.33,2008.36 4090.35,2022.38 4090.35,2073.8 4102.09,2085.53 R5_ADC2.2@4426.07,2085.53 ; C3_ADC2.1@4428.62,2027.06 4429.61,2028.04 4429.61,2085.53 4429.61,2089.06 R5_ADC2.2@4430.59,2090.05
ADC_SE_ADC3: C3_ADC3.1 R5_ADC3.2 R6_ADC3.1 | length 586.1
  Bottom Layer w10: R6_ADC3.1@2244.35,2815.41 2244.35,2783.73 2256.3,2771.79 2323.17,2771.79 2337.19,2785.81 2337.19,2837.22 2348.92,2848.95 R5_ADC3.2@2672.91,2848.95 ; C3_ADC3.1@2675.46,2790.48 2676.44,2791.46 R5_ADC3.2@2676.44,2848.95
ADC_SE_ADC4: C3_ADC4.1 R5_ADC4.2 R6_ADC4.1 | length 560.9
  Bottom Layer w10: R6_ADC4.1@512.07,2100.84 512.07,2070.93 549,2034 901.26,2034 928.49,2061.23 934.39,2061.23 943.17,2070.01 C3_ADC4.1@943.17,2075.91 944.16,2076.9 944.16,2137.92 R5_ADC4.2@945.14,2138.91
Comp_INA+_ADC1: R11_ADC1.1 U1_ADC1.8 U1_ADC1.9 U2_ADC1.3 | length 785.2
  Bottom Layer w10: U2_ADC1.3@1863.62,2296.02 1951.67,2296.02 2066.92,2411.28 2066.92,2577.13 2150,2660.21 2236.76,2660.21 2249.28,2647.69 R11_ADC1.1@2249.28,2620.53 2312.7,2620.53 U1_ADC1.8@2316.8,2616.43 U1_ADC1.9@2366.8,2616.43
Comp_INA+_ADC2: R11_ADC2.1 U1_ADC2.8 U1_ADC2.9 U2_ADC2.3 | length 787
  Bottom Layer w10: U2_ADC2.3@3607.93,2114.29 3695.98,2114.29 3811.23,2229.54 3811.23,2398.44 3891.27,2478.48 3960.35,2478.48 3961.41,2477.42 3982.13,2477.42 3993.58,2465.96 R11_ADC2.1@3993.58,2438.8 4057.01,2438.8 U1_ADC2.8@4061.1,2434.7 U1_ADC2.9@4111.1,2434.7
Comp_INA+_ADC3: R11_ADC3.1 U1_ADC3.8 U1_ADC3.9 U2_ADC3.3 | length 787.3
  Bottom Layer w10: U2_ADC3.3@1854.76,2877.72 1942.81,2877.72 2058.06,2992.97 2058.06,3162.28 2137.69,3241.91 2227.9,3241.91 2240.42,3229.39 R11_ADC3.1@2240.42,3202.22 2303.84,3202.22 U1_ADC3.8@2307.94,3198.12 U1_ADC3.9@2357.94,3198.12
Comp_INA+_ADC4: R11_ADC4.1 U1_ADC4.8 U1_ADC4.9 U2_ADC4.3 | length 785.7
  Bottom Layer w10: U2_ADC4.3@122.48,2163.15 210.53,2163.15 325.78,2278.4 325.78,2444.17 403.78,2522.17 409.61,2528 494.95,2528 508.13,2514.82 R11_ADC4.1@508.13,2487.65 571.56,2487.65 U1_ADC4.8@575.65,2483.56 U1_ADC4.9@625.65,2483.56
Comp_INA-_INB-_ADC1: R7_ADC1.1 R10_ADC1.2 U1_ADC1.7 U2_ADC1.2 U2_ADC1.5 | length 2009.4
  Bottom Layer w10: U2_ADC1.2@1863.62,2270.43 1954.31,2270.43 2005.49,2321.61 U2_ADC1.5@2045.62,2321.61 2047.51,2323.5 2082.95,2323.5 2086.92,2327.47 2086.92,2575.92 2156.21,2645.21 2209.83,2645.21 2216.8,2638.24 2216.8,2606.9 2232.7,2591 2296.15,2591 2308.2,2578.95 2537.06,2578.95 2542.92,2584.81 2542.92,2638.63 2558.2,2653.91 2631.69,2653.91 2637.54,2648.05 2637.54,2591.1 2560.13,2513.69 2522.29,2513.69 2444.88,2436.28 2444.88,2383.87 2425.39,2364.38 2399.86,2364.38 2387.62,2376.62 2387.62,2427.11 2375.39,2439.34 2358.2,2439.34 2334.82,2439.34 2316.8,2421.32 U1_ADC1.7@2316.8,2401.86 2315.34,2400.4 2315.34,2368.67 2262.98,2316.31 2261.99,2316.31 2253.21,2307.54 R7_ADC1.1@2253.21,2301.63 2250.63,2299.05 2228.92,2299.05 2193.92,2264.05 R10_ADC1.2@2161.92,2264.05
Comp_INA-_INB-_ADC2: R7_ADC2.1 R10_ADC2.2 U1_ADC2.7 U2_ADC2.2 U2_ADC2.5 | length 2018.6
  Bottom Layer w10: U2_ADC2.2@3607.93,2088.7 3698.61,2088.7 3749.8,2139.88 U2_ADC2.5@3789.93,2139.88 3791.82,2141.77 3827.26,2141.77 3831.23,2145.74 3831.23,2397.23 3897.48,2463.48 3954.13,2463.48 3961.1,2456.51 3961.1,2425.17 3977.01,2409.27 4040.46,2409.27 4052.51,2397.22 4281.37,2397.22 4287.23,2403.08 4287.23,2456.9 4302.51,2472.18 4375.99,2472.18 4381.85,2466.32 4381.85,2409.37 4304.44,2331.96 4266.6,2331.96 4189.19,2254.55 4189.19,2202.14 4169.7,2182.65 4138.78,2182.65 4132.92,2188.51 4132.92,2251.75 4127.06,2257.61 4079.13,2257.61 4061.1,2239.58 U1_ADC2.7@4061.1,2220.13 4059.64,2218.67 4059.64,2186.94 4007.28,2134.58 4006.3,2134.58 3997.52,2125.8 R7_ADC2.1@3997.52,2119.9 3994.94,2117.32 3973.23,2117.32 3938.23,2082.32 R10_ADC2.2@3906.23,2082.32